# Altium PCB DDR5_Nucleo_Shield_PCB.PcbDoc (part 2 of 2)
Units mil, origin at the board's own origin, x right, y up, seen from the top; angles counter-clockwise.
Board outline 2755.91 x 5249.61 mil, 4 copper layers (Top Layer, Mid-Layer 1, Mid-Layer 2, Bottom Layer), stack 60.473 mil thick; 129 components, 90 nets, 495 pads, 127 vias.
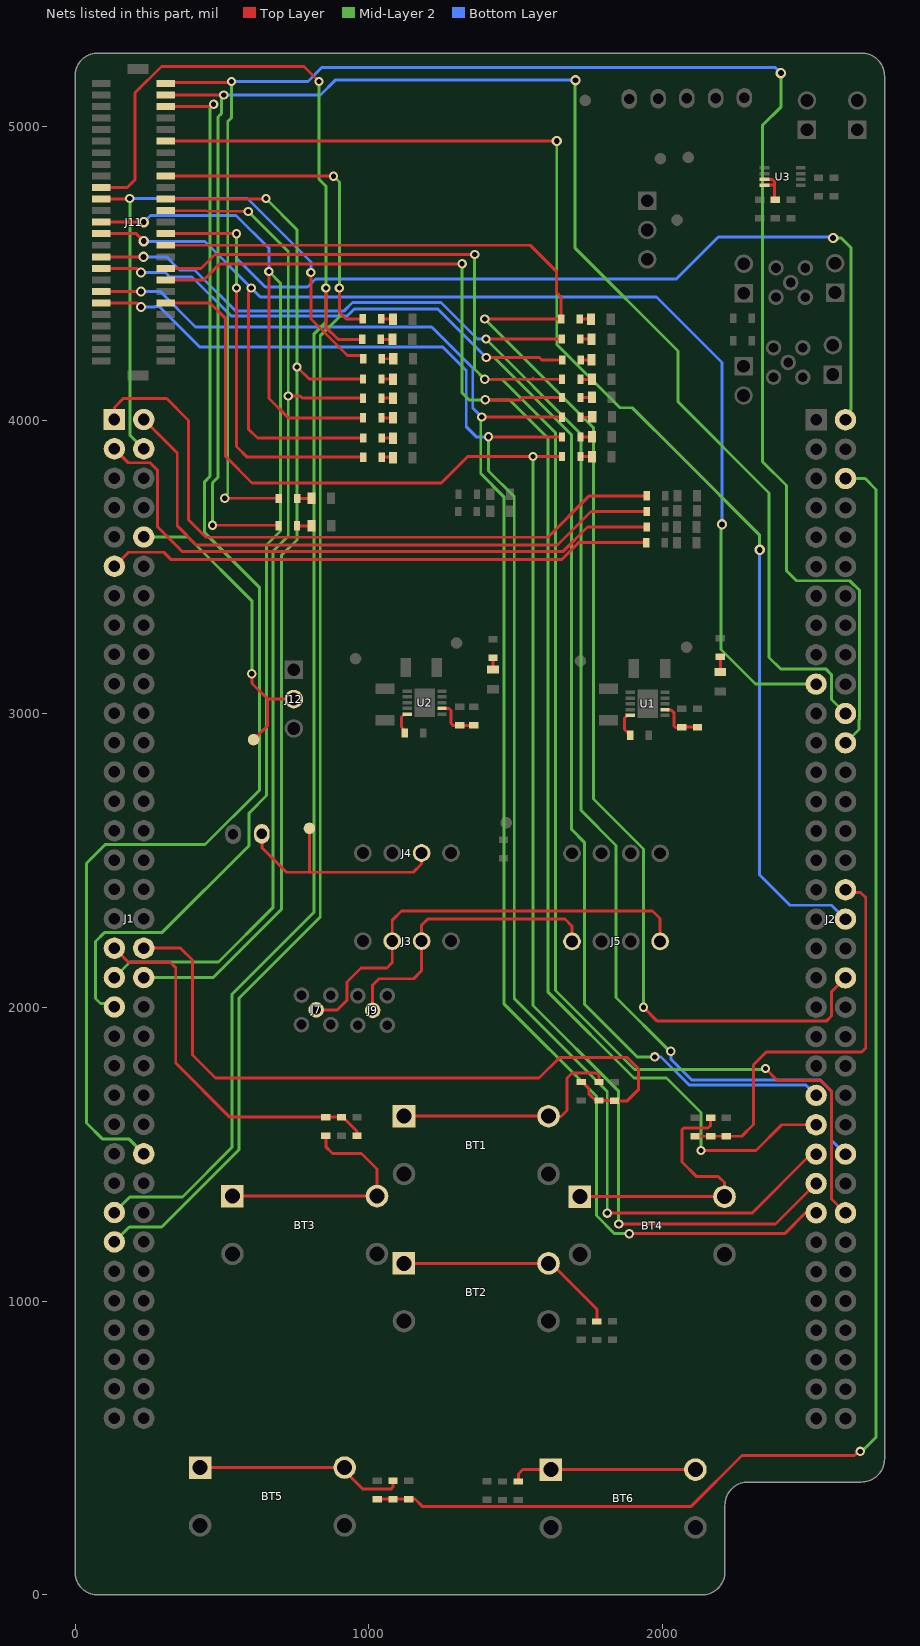
[diagram p4: the nets of this part, all layers, seen from the top]

## Via types
v1: diameter 31.5, hole 17.72, Top Layer to Bottom Layer, tented both sides, 104 vias
v2: diameter 35, hole 20, Top Layer to Bottom Layer, tented both sides, 22 vias
v3: diameter 35, hole 20, Top Layer to Bottom Layer, 1 vias

## Nets (pads, with @x,y where several pads share a name; then routed paths per layer and width w, separated by ;. In a path a pad name is that pad's centre, name@x,y a point inside that pad or via, vN(x,y) a via of type N, cw(c..) or ccw(c..) an arc to the next point about the centre after c; other vN are vias at no path point) (continued)
LED_STATUS_0: J1.1 R29.1 | length 2318.4
  Top Layer w10: J1.1@134,4002 134,4043 164,4073 312,4073 386.51,3998.49 386.51,3660.49 446.03,3600.97 1609.97,3600.97 1751,3742 R29.1@1947.01,3742
LED_STATUS_1: J1.2 R30.1 | length 2081.3
  Top Layer w10: J1.2@234,4002 348,3888 348,3640 413,3575 1643,3575 1756.84,3688.84 R30.1@1946.01,3688.84
LED_STATUS_2: J1.3 R31.1 | length 2103.9
  Top Layer w10: J1.3@134,3902 181.32,3854.68 255.32,3854.68 281.32,3828.68 281.32,3635.68 364,3553 1662.32,3553 1745,3635.68 R31.1@1946.01,3635.68
LED_STATUS_3: J1.11 R32.1 | length 1863.7
  Top Layer w10: J1.11@134,3502 182,3550 302,3550 326,3526 1657.81,3526 1714.33,3582.52 R32.1@1944.5,3582.52
LEFT: C3.2 J1.37 R20.1 R22.2 | length 1289.5
  Top Layer w10: J1.37@134,2202 183,2153 325.29,2153 343,2135.29 343,1810.68 527,1626.68 R22.2@854,1626.68 C3.2@907.16,1626.68 912.08,1626.68 960.32,1578.44 R20.1@960.32,1563.69
LSCL: J3.2 J5.4 J7.1 | length 1520
  Top Layer w10: J7.1@821,1992 893,1992 925.56,2024.56 925.56,2086.56 974,2135 1062,2135 1080,2153 J3.2@1080,2226 1080,2297 1112,2329 1966,2329 1992,2303 J5.4@1992,2225
LSDA: J3.3 J5.1 J9.1 | length 1010.9
  Top Layer w10: J9.1@1013,1990 1013,2076 1035,2098 1153,2098 1180,2125 J3.3@1180,2226 1180,2280 1201,2301 1668,2301 1692,2277 J5.1@1692,2225
NetBT1_1: BT1.1 BT1.2 R18.1 | length 818.9
  Top Layer w10: BT1.1@1120,1630 BT1.2@1612.13,1630 1614.13,1628 1617.13,1631 1619.13,1629 1655,1629 1675,1649 1675,1760 1692,1777 1775.84,1777 1783.84,1769 R18.1@1783.84,1746.5
NetBT2_1: BT2.1 BT2.2 R21.1 | length 763.5
  Top Layer w10: BT2.1@1119.87,1129 BT2.2@1612,1129 1621,1129 1776.39,973.61 R21.1@1776.39,931
NetBT3_1: BT3.1 BT3.2 R22.1 | length 827.4
  Top Layer w10: BT3.1@536,1357.97 BT3.2@1028.13,1357.97 1028.13,1449.87 975,1503 877,1503 854,1526 R22.1@854,1563.69
NetBT4_1: BT4.1 BT4.2 R26.1 | length 953.1
  Top Layer w10: BT4.1@1719,1356 BT4.2@2211.13,1356 2211.13,1404 2191.13,1424 2117,1424 2066.54,1474.46 2066.54,1584.14 2072.39,1590 2155.28,1590 2164.16,1598.88 R26.1@2164.16,1624.71
NetBT5_1: BT5.1 BT5.2 R27.1 | length 718.3
  Top Layer w10: BT5.1@426,433.85 BT5.2@918.13,433.85 918.13,422.34 979.13,361.34 1076.98,361.34 1082.84,367.2 R27.1@1082.84,389.5
NetBT6_1: BT6.1 BT6.2 R28.1 | length 634.5
  Top Layer w10: R28.1@1508.64,386.5 1510,387.85 1510,412.32 1524.68,427 BT6.1@1619.87,427 BT6.2@2112,427
NetC11_2: C11.2 R41.2 U1.7 | length 153.6
  Top Layer w10: U1.7@2016.74,3014.23 2017.65,3013.32 2029.68,3013.32 2039.19,3003.81 2039.19,2958.81 2044,2954 R41.2@2065.84,2954 ; R41.2@2065.84,2954.5 C11.2@2119,2954.5
NetC12_2: C12.2 R38.2 U2.7 | length 157.2
  Top Layer w10: U2.7@1249.49,3018.23 1273,3018.23 1280,3011.23 1280,2968 1287.58,2960.42 R38.2@1309.43,2960.42 1309.48,2960.46 1357.39,2960.46 C12.2@1357.43,2960.5
NetR37_2: R37.2 U1.5 | length 89.5
  Top Layer w10: R37.2@1890.5,2927 1871,2946.5 1871,2984.75 1880.79,2994.54 U1.5@1890.63,2994.54
NetR39_2: R39.2 U2.5 | length 82.3
  Top Layer w10: R39.2@1122.94,2934.55 1122.94,2944.06 1112,2955 1112,2989.01 1121.54,2998.54 U2.5@1131.38,2998.54
NetR43_1: R43.1 U3.7 U3.8 | length 135.3
  Top Layer w10: U3.8@2346.99,4799.52 2381.48,4799.52 2382,4799 ; U3.7@2346.99,4819.2 2347.9,4818.3 2374.7,4818.3 2382,4811 2382,4799 ; R43.1@2384.36,4750.3 2382,4752.65 2382,4799
OK: C5.2 J2.6 R24.1 R27.2 | length 5156.8
  Top Layer w10: C5.2@1029.36,326.5 R27.2@1082.84,326.5 R24.1@1136,326.5 1157.5,326.5 1182.23,301.77 2097.77,301.77 2271,475 2653.18,475 2667.18,489 v1(2673,489)
  Mid-Layer 2 w10: J2.6@2623.06,3800.97 2690.03,3800.97 2727,3764 2727,537 2683.11,493.11 2682.93,493.11 v1@2671,481.18
PG0: LD9.1 R9.2 | length 39.2
  Top Layer w10: R9.2@1717.96,4344.05 1756.84,4344.05 LD9.1@1757.07,4343.81
PG1: LD10.1 R10.2 | length 39.7
  Top Layer w10: R10.2@1719.49,4275.62 1758.08,4275.62 LD10.1@1758.87,4274.84
PG2: LD11.1 R11.2 | length 36.6
  Top Layer w10: R11.2@1721.89,4204.64 1757.07,4204.64 LD11.1@1758.07,4205.64
PG3: LD12.1 R12.2 | length 39.4
  Top Layer w10: R12.2@1720.87,4138.64 1758.87,4138.64 LD12.1@1759.87,4139.64
PG4: LD13.1 R13.2 | length 39.4
  Top Layer w10: R13.2@1720.87,4076.64 1758.87,4076.64 LD13.1@1759.87,4077.64
PG5: LD14.1 R14.2 | length 40.4
  Top Layer w10: R14.2@1720.87,4009.64 1759.87,4009.64 LD14.1@1760.87,4010.64
PG6: LD15.1 R15.2 | length 39.5
  Top Layer w10: R15.2@1720.87,3942.64 LD15.1@1760.4,3942.64
PG7: LD16.1 R16.2 | length 39.1
  Top Layer w10: R16.2@1720.87,3875.64 LD16.1@1759.94,3875.64
PW_EN0: LD1.1 R1.2 | length 39.9
  Top Layer w10: R1.2@1042.99,4344.62 1081.5,4344.62 LD1.1@1082.5,4343.62
PW_EN1: LD2.1 R2.2 | length 40
  Top Layer w10: R2.2@1041.17,4274.84 LD2.1@1081.17,4274.84
PW_EN2: LD3.1 R3.2 | length 39.1
  Top Layer w10: R3.2@1044.43,4208.62 LD3.1@1083.5,4208.62
PW_EN3: LD4.1 R4.2 | length 39
  Top Layer w10: R4.2@1043.49,4139.62 LD4.1@1082.5,4139.62
PW_EN4: LD5.1 R5.2 | length 39.9
  Top Layer w10: R5.2@1043.5,4074.62 1082.03,4074.62 LD5.1@1083.03,4073.62
PW_EN5: LD6.1 R6.2 | length 39
  Top Layer w10: R6.2@1043.49,4007.62 LD6.1@1082.5,4007.62
PW_EN6: LD7.1 R7.2 | length 38.3
  Top Layer w10: R7.2@1044.43,3939.13 1081.98,3939.13 LD7.1@1082.5,3938.62
PW_EN7: LD8.1 R8.2 | length 38.9
  Top Layer w10: R8.2@1044.43,3873.62 1080.5,3873.62 LD8.1@1082.5,3871.62
PWR_EN_0: J1.57 J11.18 R1.1 | length 4760.6
  Top Layer w10: J11.18@309.47,4831.28 v1@880,4831.28 ; v1(900,4450) 900,4367.37 922.75,4344.62 R1.1@980,4344.62
  Mid-Layer 2 w10: J1.57@134,1202 185,1253 295,1253 559,1517 559,2032 835,2308 835,4287 900,4352 v1(900,4450) 900,4810 v1(880,4830)
PWR_EN_1: J1.55 J11.19 R2.1 | length 5646.1
  Top Layer w10: J11.19@89,4791.91 177.91,4791.91 204,4818 204,5114 294,5204 780,5204 v1(831,5153) ; v1(854,4450) 854,4316 895.16,4274.84 R2.1@978.18,4274.84
  Mid-Layer 2 w10: J1.55@134,1302 186.68,1354.68 365.68,1354.68 534,1523 534,2044.09 813,2323.09 813,4287.49 813,4292.31 854,4333.31 v1(854,4450) 854,4797 831,4820 v1(831,5153)
PWR_EN_2: J1.4 J11.21 R3.1 | length 2106.8
  Top Layer w10: J11.21@89,4752.54 89.73,4753.27 185.95,4753.27 v1(186.68,4754) ; v1(803,4502) 803,4344.51 928.14,4219.37 975.61,4219.37 981.44,4213.54 R3.1@981.44,4208.62
  Mid-Layer 2 w10: v1(186.68,4754) 186.68,3949.32 J1.4@234,3902
  Bottom Layer w10: v1(186.68,4754) 587,4754 803,4538 v1(803,4502)
PWR_EN_3: J1.40 J11.22 R4.1 | length 3633.7
  Top Layer w10: J11.22@309.47,4752.54 310.2,4753.27 649.27,4753.27 v1(650,4754) ; v1(756,4181) 797.38,4139.62 R4.1@980.5,4139.62
  Mid-Layer 2 w10: J1.40@234,2102 471,2102 702.53,2333.53 702.53,3538.53 756,3592 v1(756,4181) 756,4648 v1(650,4754)
PWR_EN_4: J1.39 J11.24 R5.1 | length 3624.6
  Top Layer w10: J11.24@309.47,4713.17 v1(590,4710) ; v1(725.93,4082) 766.5,4082 773.88,4074.62 R5.1@980.5,4074.62
  Mid-Layer 2 w10: J1.39@134,2102 134.65,2102 187.32,2154.68 488.68,2154.68 673.48,2339.48 673.48,3552.48 725.93,3604.93 v1(725.93,4082) 725.93,4574.07 v1(590,4710)
PWR_EN_5: J1.41 J11.25 R6.1 | length 4428.1
  Top Layer w10: J11.25@89,4673.8 v2(234,4673.8) ; v1(660,4505.35) 660,4073.56 725.93,4007.62 R6.1@980.5,4007.62
  Mid-Layer 2 w10: J1.41@134,2002 121.98,2014.02 86.98,2014.02 70,2031 70,2225 99.68,2254.68 295.68,2254.68 593,2552 593,2662.51 652,2721.51 652,3575 699.28,3622.28 699.28,4466.07 v1(660,4505.35)
  Bottom Layer w10: v2(234,4673.8) 256.85,4696.65 548.35,4696.65 660,4585 v1(660,4505.35)
PWR_EN_6: J2.19 J11.27 R7.1 | length 4535.6
  Top Layer w10: J11.27@89,4634.43 208.57,4634.43 v2(234,4609) ; v1(600,4450) 600,4444.18 590,4434.18 590,3970 620.87,3939.13 R7.1@981.44,3939.13
  Mid-Layer 2 w10: v2(2203,3645) 2199,3641 2199,3219 2317.03,3100.97 J2.19@2523.06,3100.97
  Bottom Layer w10: v2(234,4609) 235.22,4607.78 442.22,4607.78 v1(600,4450) 631,4419 1980,4419 2203,4196 v2(2203,3645)
PWR_EN_7: J2.2 J11.28 R8.1 | length 4306.2
  Top Layer w10: J11.28@309.47,4634.43 v1(550,4634.43) ; v1(550,4450) 550,3910 586.38,3873.62 R8.1@981.44,3873.62
  Mid-Layer 2 w10: v1(550,4450) v1(550,4634.43) ; v2(2581,4620) 2609,4620 2641.35,4587.65 2641.35,4036.27 2623.06,4017.97 J2.2@2623.06,4000.97
  Bottom Layer w10: v1(550,4634.43) 550,4551 648,4453 791.69,4453 818.69,4480 2047,4480 2190,4623 2578,4623 v2(2581,4620)
PWR_GOOD_0: J2.40 J11.30 R9.1 | length 5180.4
  Top Layer w10: J11.30@309.47,4595.06 1549.94,4595.06 1640,4505 1640,4434 1654.97,4419.03 R9.1@1654.97,4344.05 v1(1395.05,4344.05) v1@1394,4343 ; v1(1935,2001) 1936,2001 1936,2000 1982.35,1953.65 2557.79,1953.65 2575.73,1971.59 2575.73,2053.65 J2.40@2623.06,2100.97
  Mid-Layer 2 w10: v1(1395.05,4344.05) 1765.35,3973.75 1765.35,2709.67 1935,2540.02 1935,2050 v1(1935,2001)
PWR_GOOD_1: J2.52 J11.31 R10.1 | length 5248.3
  Top Layer w10: J11.31@89,4555.69 v2(233.31,4555.69) v2@234,4555 ; v1(1399,4276) 1399.38,4275.62 R10.1@1656.5,4275.62
  Mid-Layer 2 w10: v1(1399,4276) 1722,3953 1722,2672 1842,2552 1842,2034 2025,1851 v1(2028.5,1851)
  Bottom Layer w10: v2(233.31,4555.69) 311.19,4555.69 355.88,4511 407,4511 546,4372 917,4372 945,4400 1246,4400 1370,4276 v1(1399,4276) ; v1(2028.5,1851) 2028.5,1824.5 2099.35,1753.65 2537.3,1753.65 2575.73,1715.22 2575.73,1548.29 J2.52@2623.06,1500.97
PWR_GOOD_2: J2.47 J11.33 R11.1 | length 4991.9
  Top Layer w10: J11.33@89,4516.32 210.68,4516.32 v2(225,4502) ; v1(1400,4213) 1581,4213 1589.36,4204.64 R11.1@1658.9,4204.64
  Mid-Layer 2 w10: v1(1400,4213) 1427,4213 1690,3950 1690,2607 1734,2563 1734,2012 1914,1832 v1(1974,1832)
  Bottom Layer w10: v2(225,4502) 307.7,4502 322.7,4487 398.63,4487 531.63,4354 927,4354 951,4378 1235,4378 1368.91,4244.09 v1(1400,4213) ; v1(1974,1832) 1995,1832 2091,1736 2488.03,1736 J2.47@2523.06,1700.97
PWR_GOOD_3: J2.56 J11.34 R12.1 | length 5512.3
  Top Layer w10: J11.34@309.47,4516.32 429.32,4516.32 476.31,4563.31 v1(1361,4563.31) ; v1(1395,4139) 1555,4139 ; 1559,4143 1555,4139 ; R12.1@1657.88,4138.64 1657.51,4139 1555,4139 ; v1(2351,1792) 2392,1751 2539.95,1751 2575.73,1715.22 2575.73,1348.29 J2.56@2623.06,1300.97
  Mid-Layer 2 w10: v1(1361,4563.31) 1360,4562.31 1360,4174 v1(1395,4139) 1454,4139 1636,3957 1636,2058 1905,1789 2348,1789 v1(2351,1792)
PWR_GOOD_4: J2.49 J11.36 R13.1 | length 5225.5
  Top Layer w10: J11.36@309.47,4476.95 437.95,4476.95 493,4532 v1(1318,4532) ; v1(1397,4069) 1516.36,4069 1524,4076.64 R13.1@1657.88,4076.64 ; v1(2131,1513) 2318,1513 2405.97,1600.97 J2.49@2523.06,1600.97
  Mid-Layer 2 w10: v1(1318,4532) 1318,4092 1341,4069 v1(1397,4069) 1479,4069 1611,3937 1611,2052 1903,1760 2014,1760 2131,1643 v1(2131,1513)
PWR_GOOD_5: J2.55 J11.37 R14.1 | length 5523
  Top Layer w10: J11.37@86,4437.5 J11.37@90.5,4433 ; J11.37@89,4437.58 89.08,4437.5 v2(225,4437.5) ; v1(1385,4010) 1654.24,4010 1655.24,4011 1657.24,4009 R14.1@1657.88,4009.64 ; v1(1887,1230) 2416,1230 2486.97,1300.97 J2.55@2523.06,1300.97
  Mid-Layer 2 w10: v1@1381.35,4010 v1(1385,4010) 1381.35,4006.35 1381.35,3817.65 1460,3739 1460,2013 1775,1698 1775,1292 1837,1230 v1(1887,1230)
  Bottom Layer w10: v2(225,4437.5) 290.13,4437.5 410.63,4317 1179.93,4317 ; 1179.96,4316.97 1202.04,4316.97 ; 1202.07,4317 1214.22,4317 1354,4177.22 1354,4041 v1(1385,4010)
PWR_GOOD_6: J2.51 J11.39 R15.1 | length 5479.4
  Top Layer w10: J11.39@89,4398.21 211.79,4398.21 v2(225,4385) ; v1(1408,3943) 1648.24,3943 1652.24,3947 1657.24,3942 R15.1@1657.88,3942.64 ; v1(1812,1300) 2305,1300 2505.97,1500.97 J2.51@2523.06,1500.97
  Mid-Layer 2 w10: v1(1408,3943) 1408,3827 1495.39,3739.61 1495.39,2030.61 1812,1714 v1(1812,1300)
  Bottom Layer w10: v2(225,4385) 272,4385 273,4386 288,4386 425.81,4248.19 1252.81,4248.19 1332,4169 1332,3977 1366,3943 v1(1408,3943)
PWR_GOOD_7: J2.53 J11.40 R16.1 | length 5377.9
  Top Layer w10: J11.40@309.47,4398.21 459.41,4398.21 513,4344.62 513,3876 603,3786 1247,3786 1337,3876 v1(1559,3876) 1655.51,3876 1656.51,3877 R16.1@1657.88,3875.64 ; v1(1851,1263) 2385.08,1263 J2.53@2523.06,1400.97
  Mid-Layer 2 w10: v1(1559,3876) 1559,2007 1851,1715 v1(1851,1263)
PWR_VDDIO: LD26.1 R47.2 | length 40.4
  Top Layer w10: LD26.1@1423,3150.35 R47.2@1423,3190.71
PWR_VDDSPD: LD25.1 R46.2 | length 51.9
  Top Layer w10: LD25.1@2196,3142.46 2197,3143.46 R46.2@2197,3194
RESET: J2.36 J11.12 | length 4494.9
  Top Layer w10: J11.12@309.47,4949.39 310.08,4950 v2(1640,4950)
  Mid-Layer 2 w10: v2(1640,4950) 1640,4257 1855,4042 1897.2,4042 2054.18,3885.02 2331,3608.2 v2(2331,3558)
  Bottom Layer w10: v2(2331,3558) 2331,2451 2433.71,2348.29 2575.73,2348.29 J2.36@2623.06,2300.97
RIGHT: C4.2 J2.34 R23.1 R26.2 | length 1416.9
  Top Layer w10: C4.2@2111,1561.72 R26.2@2164.16,1561.72 R23.1@2217.32,1561.72 2270,1561.72 2310,1601.72 2310,1805 2353.29,1848.29 2678.29,1848.29 2692,1862 2692,2374.5 2674.47,2392.03 2632,2392.03 J2.34@2623.06,2400.97
SA: J4.2 J21.1 TP6.1 | length 827.5
  Top Layer w10: J21.1@636,2591 636,2545 720.41,2460.59 1151.59,2460.59 1180,2489 J4.2@1180,2526 J4.2@1177.5,2528.5 ; 798,2459.74 TP6.1@798,2610
SRCLK: J1.52 J11.6 | length 4405.9
  Top Layer w10: J11.6@309.47,5067.5 458.68,5067.5 466.18,5075 v1(472,5075)
  Mid-Layer 2 w10: J1.52@234,1502 183,1553 93,1553 39,1607 39,2491 102.68,2554.68 442.78,2554.68 628.65,2740.55 628.65,3429.03 441.35,3616.34 441.35,3790.35 460,3809 460,5063 v1(472,5075)
TRIG_IN: LD21.1 R33.2 | length 48.9
  Top Layer w10: R33.2@756.5,3732.8 804,3732.8 LD21.1@805,3733.8
TRIG_OUT: LD22.1 R34.2 | length 49.5
  Top Layer w10: R34.2@755.99,3639.8 LD22.1@805.5,3639.8
TRIGGER_IN: J2.24 J11.2 R33.1 | length 6308.1
  Top Layer w10: J11.2@309.47,5146.24 312.85,5149.62 529.62,5149.62 v1(533,5153) ; v1(510,3733.8) 692.5,3733.8 R33.1@693.5,3732.8
  Mid-Layer 2 w10: v1(510,3733.8) 510,3739.61 520,3749.61 520,5016 533,5029 v1(533,5153) ; v2@2402,5182 v2(2403,5181) 2404,5180 2404,5067 2341,5004 2341,4261.95 2340.56,4261.51 2340.56,4130.49 2341,4130.05 2341,3858 2422,3777 2422,3487 2456,3453 2637.95,3453 2670.38,3420.57 2670.38,2981.37 2669,2979.99 2669,2946.92 J2.24@2623.06,2900.97
  Bottom Layer w10: v1(533,5153) 793.31,5153 841.31,5201 2383,5201 v2(2403,5181)
TRIGGER_OUT: J2.22 J11.4 R34.1 | length 5750.1
  Top Layer w10: J11.4@309.47,5106.87 v1(506.35,5106.87) ; v1(468,3641.8) 691,3641.8 R34.1@693,3639.8
  Mid-Layer 2 w10: v1(468,3641.8) 468,3786.35 487,3805.35 487,5032 498,5043 498,5063.31 498.65,5063.96 498.65,5093.36 506.35,5101.05 v1(506.35,5106.87) ; v2(1704,5157) 1702.72,5155.72 1702.72,4585.28 2053,4235 2053,4062 2363,3752 2363,3192 2402,3153 2556,3153 2575.73,3133.27 2575.73,3048.29 J2.22@2623.06,3000.97
  Bottom Layer w10: v1(506.35,5106.87) 835.87,5106.87 886,5157 v2(1704,5157)
UP: C1.2 J1.38 R17.1 R18.2 | length 2421.6
  Top Layer w10: J1.38@234,2202 359.5,2202 400,2161.5 400,1838 478,1760 1580,1760 1650,1830 1880,1830 1919,1791 1919,1721.5 1880,1682.5 R17.1@1837,1682.5 ; C1.2@1723.36,1746.5 1728.28,1746.5 1749,1725.77 1749,1706.1 1771.59,1683.5 R18.2@1783.84,1683.5 R17.1@1837,1683.5
VDDIO2: J1.10 J12.2 TP5.1 | length 1062.1
  Top Layer w10: v1(602,3136) 603,3135 603,3103 656,3050 ; TP5.1@608,2912 656,2960 656,3050 ; J12.2@744.93,3050 656,3050
  Mid-Layer 2 w10: J1.10@234,3602 385,3602 602,3385 v1(602,3136)
pads on no net: J1.5 J1.6 J1.7 J1.12 J1.13 J1.14 J1.15 J1.17 J1.23 J1.24 J1.25 J1.26 J1.27 J1.28 J1.29 J1.30 J1.31 J1.32 J1.33 J1.34 J1.36 J1.42 J1.43 J1.44 J1.45 J1.46 J1.47 J1.48 J1.50 J1.51 J1.53 J1.54 J1.56 J1.58 J1.59 J1.61 J1.62 J1.63 J1.64 J1.65 J1.66 J1.67 J1.68 J1.69 J1.70 J2.1 J2.7 J2.8 J2.10 J2.11 J2.12 J2.13 J2.14 J2.15 J2.18 J2.21 J2.23 J2.26 J2.27 J2.28 J2.29 J2.30 J2.31 J2.32 J2.33 J2.35 J2.37 J2.38 J2.41 J2.42 J2.43 J2.44 J2.45 J2.46 J2.48 J2.50 J2.57 J2.59 J2.60 J2.61 J2.62 J2.64 J2.65 J2.66 J2.67 J2.68 J2.69 J2.70 J3.1 J4.4 J11.42 J11.44 J11.46 J11.48 J11.MP1 J11.MP2 U1.4 U2.4

## Polygon pours and split planes (outlines as drawn)
GND on Top Layer "GND0" (solid, pour order 29): 6,5244.75 6,-5.25 2237,-5.25 2239,-7.25 2239,341.75 2263,365.75 2761,365.75 2761,5245.75 2760,5244.75
+5V on Top Layer "5V" (solid, pour order 26): 1871,5097 1879,5089 1879,5043 1846,5010 1846,4848 1903.82,4790.18 1987.82,4790.18 2103,4675 2118,4660 2480,4660 2494,4674 2494,4699 2476,4717 2139,4717 2029,4827 1920,4936 1920,5021 1898,5043 1898,5090.25
+VDDSPD on Top Layer "Vss" (solid, pour order 2): 1971,3117 1992,3096 1992,3049.58 1993.58,3048 2078.29,3048 2124,3093.71 2124,3204 2145,3225 2204,3225 2216,3237 2216,3266 2209,3273 1993,3273 1971,3251
+VDDIO on Top Layer "Vss" (solid, pour order 0): 1212,3120 1233,3099 1233,3052.58 1234.58,3051 1319.29,3051 1365,3096.71 1365,3207 1386,3228 1445,3228 1457,3240 1457,3269 1450,3276 1234,3276 1212,3254
+VDDSPD on Top Layer "VDDSPD" (solid, pour order 20): 2209,3273 2273,3273 2296,3250 2296,2395 2279,2378 397,2378 353,2422 353,3072 402,3121 531,3250 781,3250 800,3231 800,3116 783,3099 657,3099 657,3158 637,3178 588,3178 553,3143 553,2755 469,2671 469,2464 486,2447 1165,2447 1221,2503 1221,2542 1251,2572 1321,2572 1344,2549 1344,2482 1365,2461 1925.5,2461 1947,2482.5 1947,2597 1957,2607 2044,2607 2060.92,2590.08 2060.92,2482 2062.29,2482 2079.29,2465 2114,2465 2226,2577 2226,3217 2218,3225 2184,3225 2184,3271 2180,3275
+VDDIO on Top Layer "+5V" (solid, pour order 16): 691,2991 776,2991 798,2969 798,2866 890,2774 1328,2774 1382,2828 1382,3036.5 1367.5,3051 1319.29,3051 1319.29,3089.71 1314,3095 1315.71,3096.71 1365.29,3096.71 1400,3062 1416,3046 1443,3046 1478,3011 1478,2897 1573,2802 1809.8,2802 1842,2769.8 1842,2495 1822,2475 1761,2475 1744,2492 1744,2636 1704,2676 1703,2675 1142,2675 1127.5,2660.5 1127.5,2499.71 1110.79,2483 1109.79,2484 1053,2484 1032,2505 1032,2654 1012,2674 725,2674 676,2723 676,2971
GND on Top Layer "+5V" (solid, pour order 14): 1879.79,3262.99 1940.01,3262.99 1946,3257 1946,3132 1947,3132 1983,3096 1983,2913 1967,2897 1779,2897 1757.07,2918.93 1757.07,2998.31 1768.76,3010 1849,3010 1857,3002 1857,2926.72 1869.72,2914 1923,2914 1936,2927 1936,2983 1929,2983 1915,2997 1915,3109 1902.89,3121 1873,3121 1869.73,3124.28 1869.73,3251.15
GND on Top Layer "+5V" (solid, pour order 10): 1110.79,3256.99 1181.01,3256.99 1187,3251 1187,3126 1188,3126 1224,3090 1224,2907 1208,2891 1020,2891 989,2922 989,2996 997,3004 1090,3004 1098,2996 1098,2920.72 1110.72,2908 1164,2908 1177,2921 1177,2977 1170,2977 1156,2991 1156,3103 1155.86,3103 1139.86,3119 1110,3119 1104,3125 1104,3249
+5V on Top Layer "+5V" (solid, pour order 8): 202,3256 317,3256 444,3383 1811,3383 1862,3332 1862,3112 1887,3087 1903,3087 1910,3080 1910,3029 1906,3025 1775,3025 1751,3001 1751,2904.87 1767.87,2888 1979,2888 1999,2908 1999,2968 1989,2978 1989,2999.21 1992.79,3003 2026,3003 2031,2998 2031,2869 2002,2840 1584,2840 1498,2926 1498,3268 1467,3299 1112,3299 1075,3262 1075,3130 1111.29,3093.71 1139.29,3093.71 1150.43,3082.57 1150.43,3031.43 1146,3027 988,3027 988,3026 963,3001 963,2924 1004,2883 1217.58,2883 1243,2908.42 1243,2977 1241.79,2977 1232,2986.79 1232,3008 1263,3008 1269,3002 1270,3002 1270,2957 1287.58,2939.42 1287.58,2864.58 1263,2840 894,2840 815,2919 815,3234 814,3234 788,3260 524,3260 411,3147 407,3151 199,3151 185,3165 185,3242
GND on Mid-Layer 1 "GND1" (solid, pour order 24): 0,5250 0,0 2231,0 2233,-2 2233,347 2257,371 2755,371 2755,5251 2754,5250
GND on Bottom Layer "GND_2" (solid, pour order 27): -4,5250 -4,0 2227,0 2229,-2 2229,347 2253,371 2751,371 2751,5251 2750,5250

## Silkscreen, mask and mechanical layers (free items; w line width, h text height)
Top Overlay:
  drawing of 160 lines, arcs and shapes, not listed
  text "EVT-DDR5-NUCLEOShield" at 960,5149 h50
  text "GND" at 2449,5147 h45
  text "GND" at 2620,5147 h45
  text "040-00206-00" at 968,5096 h50
  text "SCL" at 1941,4950 h45
  text "SDA" at 2044,4950 h45
  text "GND" at 2151,4950 h45
  text "GND" at 2260,4950 h45
  text "+5V" at 1819,4943 h45
  text "I2C_SCL" at 2426,4894 h40
  text "I2C_SDA" at 2589,4894 h40
  text "PULL-UP I3C" at 1735,4752.54 h30
  text "VDDSPD" at 1703.93,4669 h35
  text "VBUS" at 1706.93,4628 h35
  text "GND" at 2235,4599 h45
  text "VDDIO" at 1710.93,4588 h35
  text "HSDA" at 2357,4558 h45
  text "I3C_EN_SLAVE_BOARD" at 2685,4525 h30 r270
  text "ON" at 2661,4507 h30 r270
  text "DDR5 MEMORIES SIGNALS" at 1035.5,4421.62 h80
  text "PWR_GD0" at 1430.91,4335.8 h45
  text "PWR_EN0" at 757.44,4334.38 h45
  text "DDR0" at 566.5,4330.34 h60
  text "HSCL" at 2361,4292 h45
  text "PWR_GD1" at 1432.82,4266.44 h45
  text "PWR_EN1" at 757.44,4260.22 h45
  text "DDR1" at 567.5,4255.14 h60
  text "ON" at 2650,4230 h30 r270
  text "DDR5 Memories Connector" at 452,4213 h80 r90
  text "PWR_EN2" at 759.44,4199.22 h45
  text "PWR_GD2" at 1429.82,4196.88 h45
  text "DDR2" at 567.5,4187.62 h60
  text "PWR_EN3" at 758.44,4131.22 h45
  text "PWR_GD3" at 1429.82,4131.22 h45
  text "DDR3" at 567.5,4124.34 h60
  text "PWR_EN4" at 758.44,4073.22 h45
  text "DDR4" at 567.5,4066.62 h60
  text "PWR_GD4" at 1429.82,4064.44 h45
  text "PWR_EN5" at 758.44,4000.27 h45
  text "PWR_GD5" at 1429.82,3995.78 h45
  text "GND" at 2236,3995 h45
  text "DDR5" at 567.5,3993 h60
  text "E7" at 2673,3980 h40
  text "LS0" at 1.04,3974.26 h40
  text "LS1" at 284,3974.26 h40
  text "PWR_EN6" at 757.5,3930.36 h45
  text "PWR_GD6" at 1429.82,3929.87 h45
  text "DDR6" at 567.5,3921.04 h60
  text "CL" at 2673.06,3883.71 h40
  text "I3C_SCL" at 2303,3879 h40
  text "LS2" at 1.04,3877.31 h40
  text "E2" at 284,3877.31 h40
  text "PWR_GD7" at 1429.82,3867.78 h45
  text "PWR_EN7" at 757.5,3862.57 h45
  text "DDR7" at 568.5,3852.62 h60
  text "I3C_SDA" at 2303,3806 h40
  text "OK" at 2675,3777 h40
  text "TRIG_IN" at 681,3765 h30
  text "PASS" at 1853,3742 h30
  text "AUX0" at 1213,3741 h30
  text "FAIL" at 1855,3690 h30
  text "AUX1" at 1210,3680 h30
  text "TRIG_OUT" at 675.62,3676 h30
  text "RUN" at 1856,3634 h30
  text "STOP" at 1852,3581 h30
  text "LTC" at 1.04,3577.97 h40
  text "VDDIO2" at 284,3577.97 h40
  text "LS3" at 2.04,3478.71 h40
  text "AUX1" at 2744,3335 h40 r90
  text "LED_STATUS" at 1853,3327.79 h50
  text "TRIGGERS" at 593,3323 h50
  text "GPIO_AUX" at 1197,3319 h50
  text "+3V3" at 285,3281 h45
  text "+5V" at 284,3182 h45
  text "I2C_SCL" at 2307.59,3171.71 h40
  text "VDDSPD" at 502.93,3078 h35
  text "E6" at 2411,3075.3 h40
  text "VDDIO2" at 505.93,3037 h35
  text "VDDIO" at 509.93,2997 h35
  text "TRIG_OUT" at 2745,2854.5 h40 r90
  text "LDO VDDSPD ( 1.8V )" at 1754,2784 h50
  text "I2C_SDA" at 67.91,2779.67 h40 r90
  text "AUX0" at 2358,2777 h40
  text "VDDIO2 Selector" at 493,2771 h50
  text "LDO VDDIO ( 1V )" at 1036,2770 h50
  text "TRIG_IN" at 2745,2684 h40 r90
  text "NC" at 897,2619 h50
  text "VDDIO" at 981,2619 h50
  text "SA" at 1147,2619 h50
  text "VSPD" at 1233,2618 h50
  text "HSA" at 1546,2613 h50
  text "VDDIO" at 1661,2613 h50
  text "GND" at 1824,2613 h50
  text "VSPD" at 1945,2613 h50
  text "SA" at 619,2411 h50
  text "GND" at 485,2408 h50
  text "BR" at 2675,2379 h40
  text "TS" at 801,2357 h50 r90
  text "SPDHUB" at 1578,2299 h50 r90
  text "BD" at 15,2279 h40
  text "RST" at 2673.06,2278.15 h40
  text "BL" at 17,2183.15 h40
  text "BU" at 293,2172.15 h40
  text "HSDA" at 1676,2104 h50
  text "HSCL" at 1819,2104 h50
  text "LSCL" at 1957,2104 h50
  text "NC" at 953,2103 h50
  text "SCL" at 1036,2103 h50
  text "SDA" at 1142,2103 h50
  text "GND" at 1256,2103 h50
  text "LSDA" at 1537,2103 h50
  text "E4" at 23,2078.41 h40
  text "G0" at 2674,2077 h40
  text "E3" at 293,2068.41 h40
  text "E5" at 23.04,1977.56 h40
  text "LSCL" at 746,1857 h50
  text "LSDA" at 939,1856 h50
  text "G2" at 2403,1678 h40
  text "G4" at 2403,1571 h40
  text "SRCLK" at 285,1478 h40
  text "G1" at 2675,1476 h40
  text "G6" at 2403,1469 h40
  text "G7" at 2403,1375.15 h40
  text "G5" at 2403,1280 h40
  text "G3" at 2673,1280 h40
  text "E1" at 21,1276 h40
  text "E0" at 21,1182.38 h40
  text "DT" at 2673,1173 h40
  text "OK" at 605,590 h100
  text "CANCEL" at 1682,587 h100
Bottom Overlay:
  circle w9.84: c655.82,3012 r3.61
  circle w9.84: c655.82,3087 r3.61
  circle w9.84: c1856.82,4604 r3.61
  circle w9.84: c1856.82,4679 r3.61
  lines w9.84: 659.93,3048.5 ccw(c656.39,3047.84) 659.99,3047.84 ; 1860.93,4640.5 ccw(c1857.39,4639.84) 1860.99,4639.84
  lines w10: 17,1593 73,1593 ; 17,3085 73,3085 ; 31,1578 61,1578 ; 31,3070 61,3070 ; 39,2941 39,2976.85 63.15,3001 ; 42,1563.15 48.01,1563.15 ; 42,3055.15 48.01,3055.15 ; 45,1596 45,1638 ; 45,3088 45,3130 ; 290.01,2996.12 346.01,2996.12 ; 293.01,3094.27 349.01,3094.27 ; 293.01,3696.27 349.01,3696.27 ; 298.09,1097.27 354.09,1097.27 ; 302.01,2981.12 332.01,2981.12 ; 305.01,3079.27 335.01,3079.27 ; 305.01,3681.27 335.01,3681.27 ; 310.09,1082.27 340.09,1082.27 ; 315,2966.27 321.01,2966.27 ; 318,3064.42 324.01,3064.42 ; 318,3666.42 324.01,3666.42 ; 318.01,2999.12 318.01,3041.12 ; 321.01,3097.27 321.01,3139.27 ; 321.01,3699.27 321.01,3741.27 ; 323.07,1067.42 329.09,1067.42 ; 326.09,1100.27 326.09,1142.27 ; 638.93,3065.5 653.93,3050.5 654.93,3050.5 654.93,3045.5 ; 654.93,3048 688.49,3048 ; 655.93,3087 655.93,3146 689.93,3146 ; 656.93,2953 690.93,2953 ; 656.93,2954 656.93,3013 ; 1839.93,4657.5 1854.93,4642.5 1855.93,4642.5 1855.93,4637.5 ; 1855.93,4640 1889.49,4640 ; 1856.93,4679 1856.93,4738 1890.93,4738 ; 1857.93,4545 1891.93,4545 ; 1857.93,4546 1857.93,4605 ; 2398,2097 2454,2097 ; 2399,900 2455,900 ; 2410,3582 2466,3582 ; 2412,2082 2442,2082 ; 2413,885 2443,885 ; 2423,2067.15 2429.01,2067.15 ; 2424,870.15 2430.01,870.15 ; 2424,3567 2454,3567 ; 2426,2100 2426,2142 ; 2427,903 2427,945 ; 2435,3552.15 2441.01,3552.15 ; 2438,3585 2438,3627 ; 2660,2867 2693,2834 2696,2834 ; 2673,3293 2700,3293 2714.99,3307.99 2714.99,3308.01 2714.99,3336 ; 2675,3003 2694,3003 ; 2684,1405 2740,1405 ; 2684,3100 2740,3100 ; 2696,1390 2726,1390 ; 2697,3085 2727,3085 ; 2708.99,1375.15 2715,1375.15 ; 2709.99,3070.15 2716,3070.15 ; 2712,1408 2712,1450 ; 2713,3103 2713,3145
  text "EVT-DDR5-NUCLEOShield" at 1519,5147 h50
  text "GND" at 2533,5147 h45
  text "GND" at 2704,5147 h45
  text "040-00206-00" at 1527,5094 h50
  text "SCL" at 2013,5013 h45
  text "SDA" at 2114,5012 h45
  text "GND" at 2216,5009 h45
  text "GND" at 2325,5009 h45
  text "+5V" at 1922,5008.53 h45
  text "I2C_SDA" at 2737,4894 h40
  text "I2C_SCL" at 2570,4893 h40
  text "VDDSPD" at 1826.07,4669.41 h35
  text "VBUS" at 1823.07,4628.41 h35
  text "GND" at 2320,4597 h45
  text "VDDIO" at 1819.07,4588.41 h35
  text "I3C_SDA" at 2330,4322.06 h40
  text "I3C_SCL" at 2333,4253.06 h40
  text "GND" at 2319,3993 h45
  text "E7" at 2734,3980 h40
  text "LS0" at 87.96,3976.73 h40
  text "LS1" at 367,3975 h40
  text "I3C_SCL" at 2467,3886.06 h40
  text "CL" at 2740,3885.44 h40
  text "LS2" at 87.96,3879.78 h40
  text "E2" at 367,3877.58 h40
  text "I3C_SDA" at 2467,3813.06 h40
  text "OK" at 2745,3779.47 h40
  text "LTC" at 87.96,3580.41 h40
  text "VDDIO2" at 439,3577.47 h40
  text "LS3" at 86.96,3481.18 h40
  text "AUX1" at 2690.47,3336.01 h40 r270
  text "+3V3" at 383,3281.53 h45
  text "+5V" at 385,3181.53 h45
  text "I2C_SCL" at 2471,3179.06 h40
  text "VDDSPD" at 628.07,3078.41 h35
  text "E6" at 2468,3076.47 h40
  text "VDDIO2" at 625.07,3037.41 h35
  text "VDDIO" at 621.07,2997.41 h35
  text "TRIG_OUT" at 2696.06,2855.5 h40 r270
  text "I2C_SDA" at 19.06,2784 h40 r270
  text "AUX0" at 2470,2777 h40
  text "TRIG_IN" at 2696.06,2685 h40 r270
  text "NC" at 956,2616 h50
  text "VDDIO" at 1120,2616 h50
  text "SA" at 1208,2616 h50
  text "VSPD" at 1352,2616 h50
  text "VDDIO" at 1824,2597 h50
  text "GND" at 1942,2597 h50
  text "VSPD" at 2084,2597 h50
  text "HSA" at 1661,2596 h50
  text "GND" at 588,2495 h50
  text "SA" at 675,2494 h50
  text "BR" at 2744,2379 h40
  text "RST" at 2760.94,2279.62 h40
  text "BD" at 84,2277 h40
  text "BL" at 82,2181.15 h40
  text "BU" at 358,2172.89 h40
  text "LSDA" at 1651,2152 h50
  text "HSDA" at 1797,2151 h50
  text "HSCL" at 1936,2150 h50
  text "LSCL" at 2065,2149 h50
  text "GND" at 1330,2133 h50
  text "NC" at 995,2132 h50
  text "SCL" at 1101,2132 h50
  text "SDA" at 1214,2132 h50
  text "G0" at 2743,2077.47 h40
  text "E4" at 76,2076.41 h40
  text "E3" at 358,2069.15 h40
  text "E5" at 75.96,1976.03 h40
  text "G2" at 2466,1679.47 h40
  text "G4" at 2466,1572.47 h40
  text "SRCLK" at 427,1481.47 h40
  text "G1" at 2743,1477.47 h40
  text "G6" at 2466,1470.47 h40
  text "G7" at 2466,1376.62 h40
  text "GND" at 1644,1345 h50
  text "GND" at 1187,1343 h50
  text "G5" at 2466,1281.47 h40
  text "G3" at 2743,1281.47 h40
  text "E1" at 77,1272.97 h40
  text "E0" at 77,1179.82 h40
  text "DT" at 2743,1172 h40
  text "GND" at 1049,1071 h50
  text "GND" at 1775,1071 h50
  text "GND" at 581,1069 h50
  text "GND" at 2264,1067 h50
  text "GND" at 1171,843 h50
  text "GND" at 1635,838 h50
  text "GND" at 959,145 h50
  text "GND" at 469,141 h50
  text "GND" at 1680,141 h50
  text "GND" at 2156,141 h50
Mechanical 1:
  lines w3.94: -4.74,5172.87 -4.74,80.74 ccw(c74,80.74) 74,2 1466.46,2 ; 0,78.74 ccw(c78.74,78.74) 78.74,0 1471.21,0 2134,-0.01 ccw(c2134,78.74) 2212.74,78.74 2212.74,305.78 cw(c2291.48,305.78) 2291.48,384.52 2677.17,384.52 ccw(c2677.17,463.26) 2755.91,463.26 2755.91,5170.87 ccw(c2677.17,5170.87) 2677.17,5249.61 78.74,5249.61 ccw(c78.74,5170.87) 0,5170.87 0,78.74
Top Assembly:
  lines w10: 2673,3004 2696,3004
Mechanical 14:
  lines w4.92: -525.5,4759 -487,4720.5 ; 2377,5545 2415.5,5583.5
  lines w20: -525.5,4759 -410,4874.5 -410,4643.5 -523.5,4757 ; -409.5,4757 -232,4757 -37,4757 ; 299,5777 299,6497 314,6512 2520,6512 2520,5943 2520,5767 2514,5761 317,5761 306,5772 ; 2413.5,5290 2413.5,5467.5 ; 2413.5,5581.5 2300,5468 2531,5468 2415.5,5583.5 ; 2613,6647 214,6647 214,5648 225,5637 2610,5637 2616,5643 2616,6649
  text "LCD DISPLAY" at 851,6114 h200
  text "CONNECTED" at 2477,5365 h100
  text "BY CABLE" at 2530,5285 h100
  text "LCD Connector" at 1891,5174 h60
  text "DDR5" at -1023,4759 h100
  text "SYSTEM BOARD" at -1276,4667 h100

## Text inside footprints (layer, text, board x,y; h text height)
J1: Top Overlay "2" at 248.92,4059.13 h59.06 r90; Top Overlay "1" at 146.56,4058.15 h59.06 r90; Mechanical 14 "2" at 217.46,4014.4 h59.06 r270; Mechanical 14 "70" at 216.48,628.38 h59.06 r270; Mechanical 14 "1" at 115.1,4010.46 h59.06 r270; Mechanical 14 "69" at 116.09,629.36 h59.06 r270
J2: Top Overlay "2" at 2637.98,4058.1 h59.06 r90; Top Overlay "1" at 2535.61,4057.12 h59.06 r90; Mechanical 14 "2" at 2606.52,4013.37 h59.06 r270; Mechanical 14 "70" at 2605.54,627.35 h59.06 r270; Mechanical 14 "1" at 2504.16,4009.44 h59.06 r270; Mechanical 14 "69" at 2505.14,628.33 h59.06 r270